# Altium PCB NGIStepUpPCB.PcbDoc (part 1 of 2) (continued)
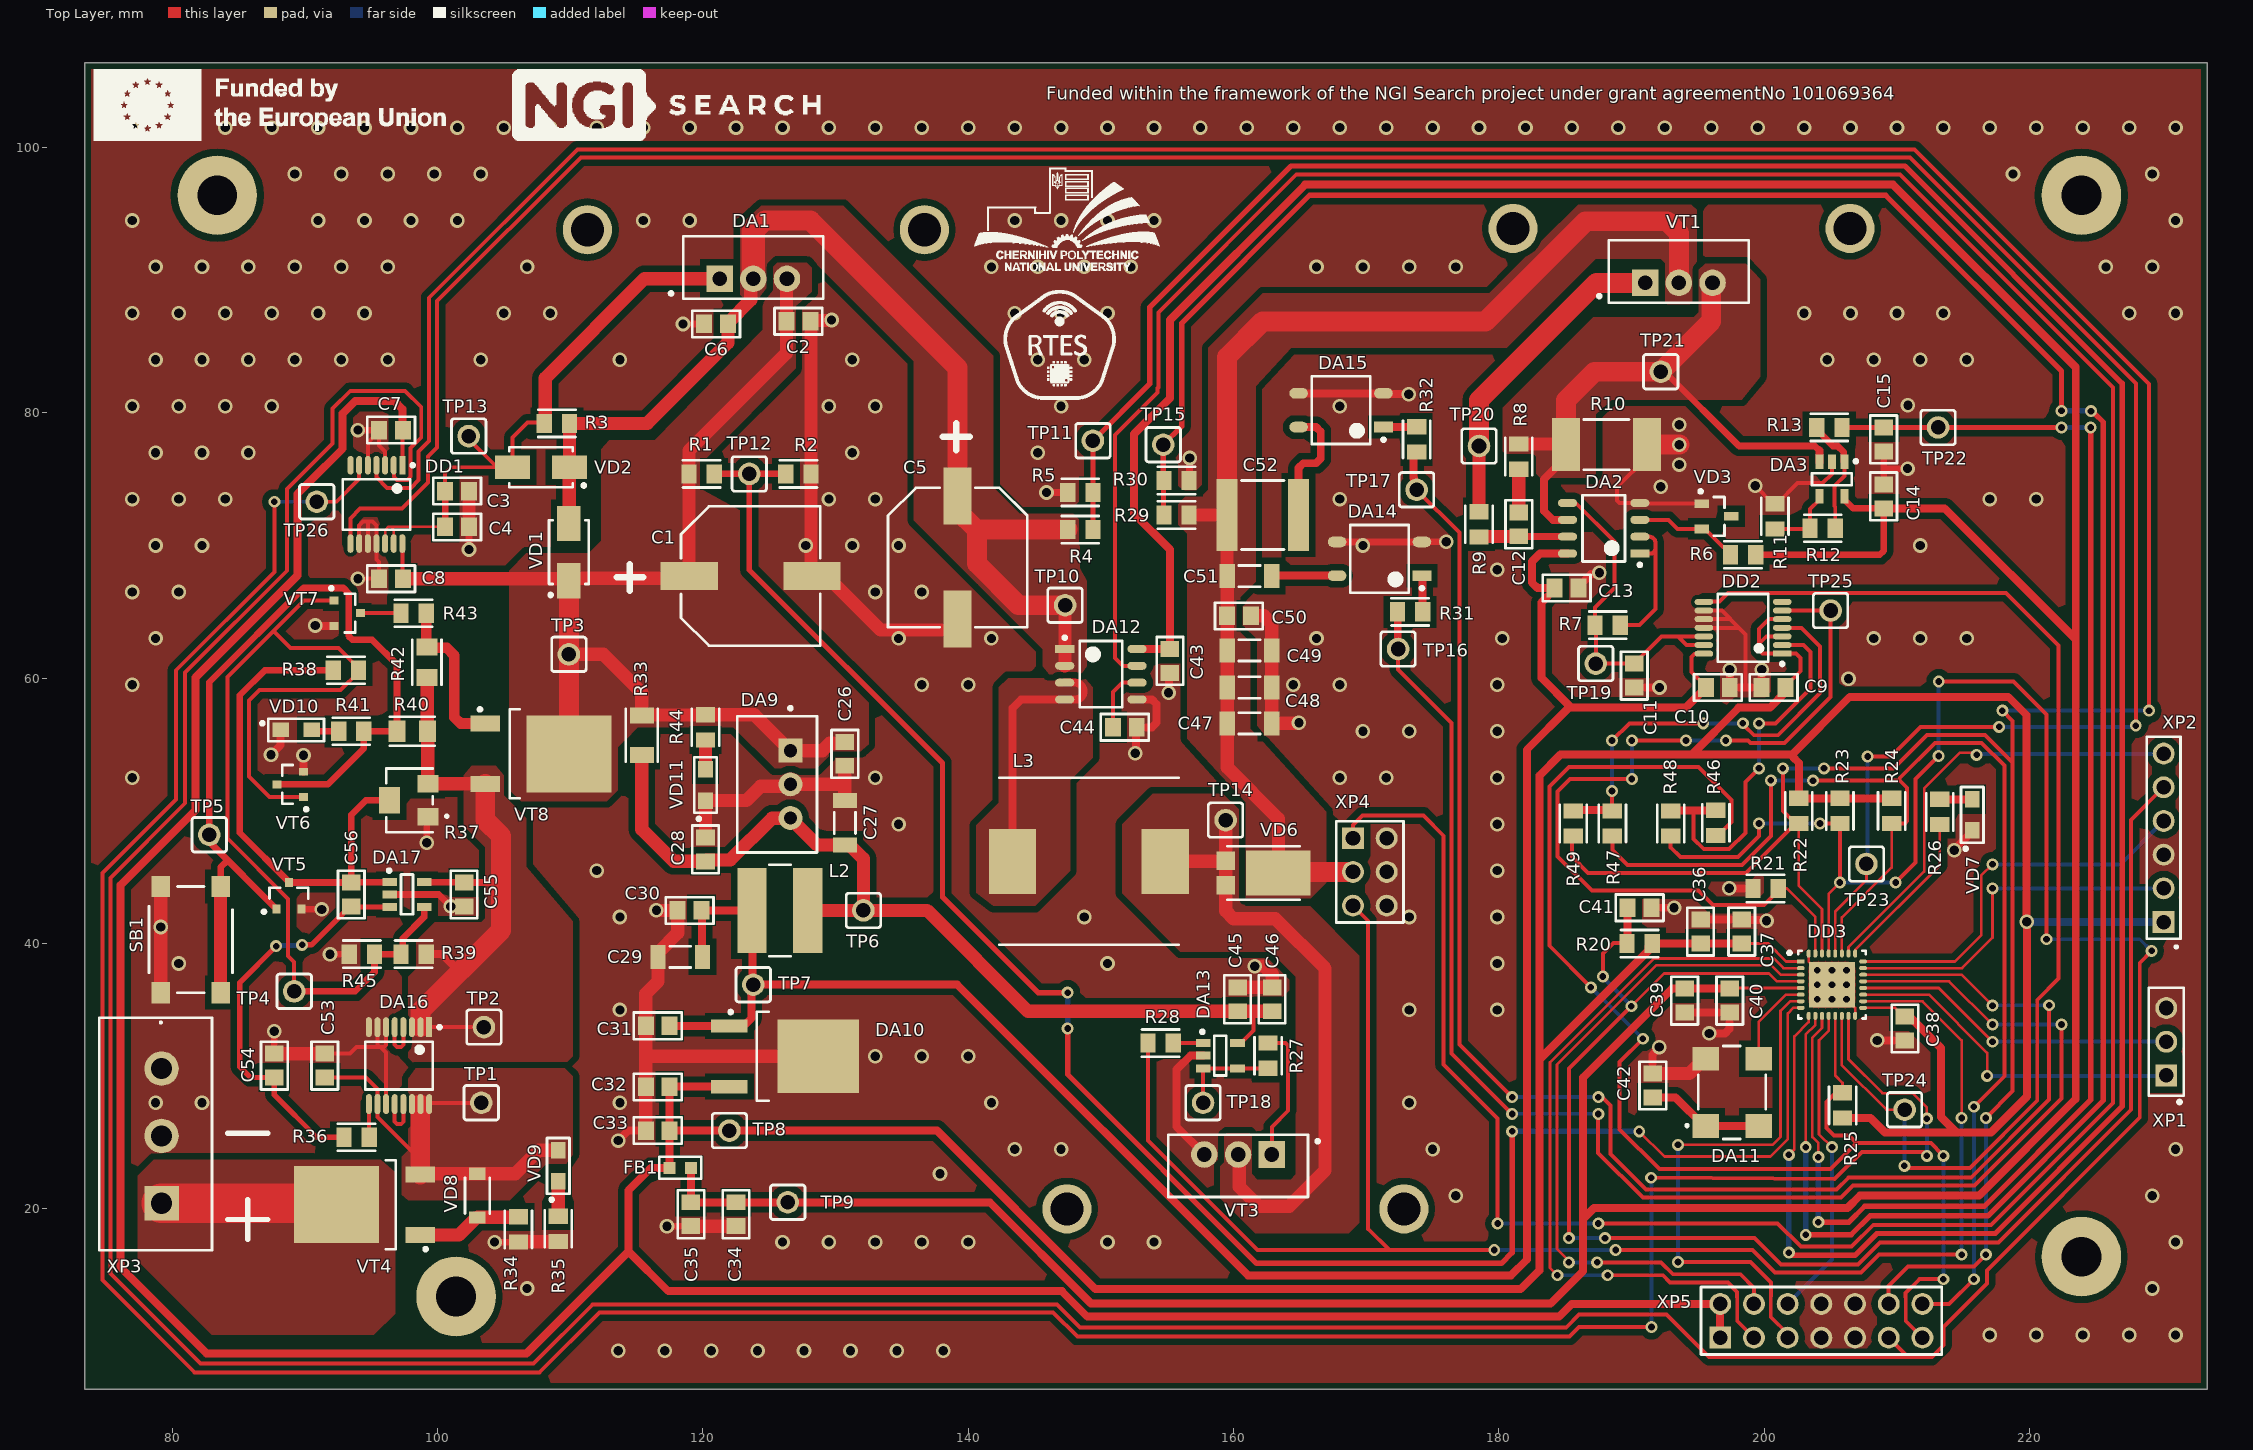
[diagram p0: Top Layer view]
## Components (designator, comment, footprint, x,y, rotation, side; value= is the part's Value field where it differs from the comment) (continued)
R37 "PVG5A203C03R00" PVG5A 97.9,50.8 r90 top value=20Kohms
R38 "RC0805FR-0751KL" Resistor0805_THICKNESS0.6 93.1,60.6 r0 top value="51 kOhms"
R39 "RC0805FR-0710KL" Resistor0805_THICKNESS0.6 98.2,39.2 r0 top value="10 kOhms"
R40 "RCS08051K80FKEA" "RCS0805 e3" 98.1,56 r0 top value=1.8Kohms
R41 "RC0805FR-13470RL" Resistor0805_THICKNESS0.6 93.5,56 r0 top value="470 Ohms"
R42 "RCS08051K80FKEA" "RCS0805 e3" 99.2,61.2 r270 top value=1.8Kohms
R43 "RC0805FR-07820RL" Resistor0805_THICKNESS0.6 98.2,64.9 r0 top value="820 Ohms"
R44 "RC0805FR-132K2L" Resistor0805_THICKNESS0.6 120.2,56.3 r90 top value="2.2 kOhms"
R45 "RC0805FR-0710KL" Resistor0805_THICKNESS0.6 94.3,39.2 r0 top value="10 kOhms"
R46 "RC0805FR-070RL" Resistor0805_THICKNESS0.6 196.35,49.1 r90 top value="0 Ohms"
R47 "RC0805FR-070RL" Resistor0805_THICKNESS0.6 188.55,49.05 r90 top value="0 Ohms"
R48 "RC0805FR-070RL" Resistor0805_THICKNESS0.6 192.95,49.05 r90 top value="0 Ohms"
R49 "RC0805FR-070RL" Resistor0805_THICKNESS0.6 185.6,49.05 r90 top value="0 Ohms"
SB1 "B3FS-1012P" "Flat Switches" 81.4,40.3 r270 top
TP1 "test point" "test point" 103.3,28 r0 top
TP2 "test point" "test point" 103.5,33.7 r0 top
TP3 "test point" "test point" 109.9,61.8 r0 top
TP4 "test point" "test point" 89.2,36.4 r0 top
TP5 "test point" "test point" 82.8,48.2 r270 top
TP6 "test point" "test point" 132.1,42.5 r0 top
TP7 "test point" "test point" 123.8,36.9 r0 top
TP8 "test point" "test point" 122,25.9 r0 top
TP9 "test point" "test point" 126.4,20.5 r0 top
TP10 "test point" "test point" 147.3,65.5 r90 top
TP11 "test point" "test point" 149.4,77.9 r0 top
TP12 "test point" "test point" 123.5,75.4 r90 top
TP13 "test point" "test point" 102.35,78.25 r90 top
TP14 "test point" "test point" 159.4,49.3 r90 top
TP15 "test point" "test point" 154.7,77.6 r180 top
TP16 "test point" "test point" 172.4,62.2 r270 top
TP17 "test point" "test point" 173.8,74.2 r180 top
TP18 "test point" "test point" 157.7,28 r270 top
TP19 "test point" "test point" 187.3,61.1 r90 top
TP20 "test point" "test point" 178.5,77.5 r90 top
TP21 "test point" "test point" 192.2,83.1 r90 top
TP22 "test point" "test point" 213.1,78.9 r270 top
TP23 "test point" "test point" 207.7,46 r90 top
TP24 "test point" "test point" 210.575,27.475 r90 top
TP25 "test point" "test point" 205,65.1 r90 top
TP26 "test point" "test point" 90.9,73.3 r180 top
VD1 "RS1A" "RS1A_CASE_SMA 403AE" 109.9,69.5 r90 top
VD2 "RS1A" "RS1A_CASE_SMA 403AE" 107.8,75.9 r180 top
VD3 "LM4040DYM3-2.5-TR" "SOT23 3pin" 196.4,72.2 r0 top
VD6 "SBRT20U60SP5-7" PowerDI5-3 162.256,45.32 r270 top
VD7 "APT2012LZGCK" APT2012LZGCK0805_LEDs 215.675,49.75 r270 top
VD8 "MMSZ4697T1G" SOD-123-2 103,21 r270 top
VD9 "APT2012LZGCK" APT2012LZGCK0805_LEDs 109.1,23.3 r270 top
VD10 "APT2012EC" APT2012LZGCK0805_LEDs 89.4,56.1 r180 top
VD11 "APT2012LZGCK" APT2012LZGCK0805_LEDs 120.2,52 r270 top
VT1 "IRFZ24NPBF" "IRFZ24NPBF TO-220 with HS FA-T220-64E" 193.56,89.8 r0 top
VT3 "IRFZ24NPBF" "IRFZ24NPBF TO-220 with HS FA-T220-64E" 160.34,24.1 r180 top
VT4 "IPD70P04P409ATMA2" TO-252-3 94.75,20.32 r180 top
VT5 "2N7002NXAKR" SOT-23-3 88.8,43.6 r90 top
VT6 "2N7002NXAKR" SOT-23-3 88.9,52 r180 top
VT7 "2N7002NXAKR" SOT-23-3 93.2,64.9 r0 top
VT8 "IPD70P04P409ATMA2" TO-252-3 107.55,54.3 r0 top
XP1 "M20-9770346" "3 VERTICAL PIN Pitch: 2.54 mm" 230.3,30.06 r90 top
XP2 "M20-9990646" "6 VERTICAL PIN Pitch: 2.54 mm" 230.1,41.62 r90 top
XP3 "691311500103" 691311500103 79.2,20.42 r90 top
XP4 "M20-9980346" M20-9980346 169,47.94 r270 top
XP5 "M20-9980746" M20-9980746 196.68,10.3 r0 top

## Footprints (in the part's own frame and the unit in brackets; to place one, negate y for a bottom-side part, rotate by r counter-clockwise, add the part's x,y. Pads: shape width x height; smd on the part's side, far side on the other; paste and mask are expansions set on the pad)
"3 VERTICAL PIN Pitch: 2.54 mm" [mm]
  rect 1.65x1.65 hole 1.1: 1(0,0)
  round 1.65 hole 1.1: 2(2.54,0) 3(5.08,0)
  silkscreen extent -2.12,-1.32 6.6,1.32, body extent -1.27,-1.27 6.35,1.27, height 8.3
"6 VERTICAL PIN Pitch: 2.54 mm" [mm]
  rect 1.65x1.65 hole 1.1: 1(0,0)
  round 1.65 hole 1.1: 2(2.54,0) 3(5.08,0) 4(7.62,0) 5(10.16,0) 6(12.7,0)
  silkscreen extent -1.97,-1.27 13.97,1.27, body extent -1.27,-1.27 13.97,1.27, height 8.64
"742792664_Ferrite Beads_0603" [mm]
  rect 0.9x0.9 smd: 1(-0.8,0) 2(0.8,0)
  silkscreen extent -1.58,-0.82 1.58,0.82, body extent -0.8,-0.4 0.8,0.4, height 0.8
691311500103 [mm]
  rect 2.6x2.6 hole 1.6: 1(0,0)
  round 2.6 hole 1.6: 2(5.08,0) 3(10.16,0)
  silkscreen extent -3.54,-3.8 14,4.7, body extent -3.52,-4.45 13.72,10.65, height 21.45
APT2012LZGCK0805_LEDs [mm]
  rect 1.25x1.1 smd: A(-1.125,0) C(1.225,0)
  silkscreen extent -2.05,-0.85 2.72,0.85, body extent -1,-0.63 1,0.63, height 0.75
Capacitor0805_THICKNESS0.6 [mm] "Chip Capacitor, 2-Leads, Body 2,00x1,25mm, IPC Medium Density"
  rect 1.2x1.4 smd: 1(-0.9,0) 2(0.9,0)
  silkscreen extent -1.8,-1 1.8,1, body extent -1.05,-0.67 1.05,0.67, height 0.6
Capacitor0805_THICKNESS0.8 [mm] "Chip Capacitor, 2-Leads, Body 2,00x1,25mm, IPC Medium Density"
  rect 1.2x1.4 smd: 1(-0.9,0) 2(0.9,0)
  silkscreen extent -1.8,-1 1.8,1, body extent -1.05,-0.67 1.05,0.67, height 0.8
Capacitor0805_THICKNESS1.25 [mm] "Chip Capacitor, 2-Leads, Body 2,00x1,25mm, IPC Medium Density"
  rect 1.2x1.4 smd: 1(-0.9,0) 2(0.9,0)
  silkscreen extent -1.8,-1 1.8,1, body extent -1.05,-0.67 1.05,0.67, height 1.25
Capacitor0805_THICKNESS1.45 [mm] "Chip Capacitor, 2-Leads, Body 2,00x1,25mm, IPC Medium Density"
  rect 1.2x1.4 smd: 1(-0.9,0) 2(0.9,0)
  silkscreen extent -1.8,-1 1.8,1, body extent -1.1,-0.72 1.1,0.72, height 1.45
Capacitor1206_THICKNESS1.6 [mm] "Chip Capacitor, 2-Leads, Body 3,20x1,60mm, IPC Medium Density"
  rect 1.15x1.8 smd: 1(-1.675,0) 2(1.675,0)
  silkscreen extent -0.8,-0.8 0.8,0.8, body extent -1.7,-0.9 1.7,0.9, height 1.6
Capacitor2220_THICKNESS3.1 [mm] "Chip Capacitor, 2-Leads, Body 5,70x5,00mm, IPC Medium Density"
  rect 1.6x5.4 smd: 1(-2.7,0) 2(2.7,0)
  silkscreen extent -1.6,-2.6 1.6,2.6, body extent -3.05,-2.7 3.05,2.7, height 3.1
EEH-ZA1V101P [mm] "Aluminum Electrolytic Capacitor, Body 10,30x10,30x10,50mm, IPC Medium Density"
  rect 4.3x2.1 smd: 1(-4.625,0) 2(4.625,0)
  silkscreen extent -10.1,-5.25 5.25,5.25, body extent -6,-5.25 6,5.25, height 10.5
"Flat Switches" [mm]
  rect 1.6x1.4 smd: 1(4,-2.25) 2(-4,-2.25) 3(4,2.25) 4(-4,2.25)
  silkscreen extent -4,-3.15 6.3,3.15, body extent -4,-3.15 4,3.15, height 4.38
"HCMOS 7 mm x 5 mm" [mm]
  rect 2x1.8 smd: 1(-1.825,-2.665) 2(-1.825,2.415) 3(2.175,2.415) 4(2.175,-2.665)
  silkscreen extent -3.32,-3.62 2.72,3.38, body extent -2.32,-3.63 2.68,3.37, height 1.71
"IRFZ24NPBF TO-220 with HS FA-T220-64E" [mm]
  rect 2x2 hole 1.1: 1(-2.54,0)
  round 2 hole 1.1: 2(0,0) 3(2.54,0)
  round 3.7 hole 2.5: 4(-12.5,4.1) 5(12.9,4.1)
  silkscreen extent -6.12,-1.5 5.27,3.2, body extent -20.6,-8.5 21,16.63, height 63.5
"LM338T TO-220 with HS FA-T220-64E" [mm]
  rect 2x2 hole 1.1: 1(-2.54,0)
  round 2 hole 1.1: 2(0,0) 3(2.54,0)
  round 3.7 hole 2.5: 4(-12.5,3.7) 5(12.9,3.7)
  silkscreen extent -6.32,-1.5 5.27,3.2, body extent -20.6,-8.87 21,16.27, height 63.5
M20-9980346 [mm]
  rect 1.65x1.65 hole 1.1: 1(0,0)
  round 1.65 hole 1.1: 2(0,2.54) 3(2.54,0) 4(2.54,2.54) 5(5.08,0) 6(5.08,2.54)
  silkscreen extent -1.27,-1.27 6.35,3.81, body extent -1.27,-1.27 6.35,3.81, height 8.68
M20-9980746 [mm]
  rect 1.65x1.65 hole 1.1: 1(0,0)
  round 1.65 hole 1.1: 2(0,2.54) 3(2.54,0) 4(2.54,2.54) 5(5.08,0) 6(5.08,2.54) 7(7.62,0) 8(7.62,2.54) 9(10.16,0) 10(10.16,2.54) 11(12.7,0) 12(12.7,2.54) 13(15.24,0) 14(15.24,2.54)
  silkscreen extent -1.45,-1.27 16.69,3.81, body extent -1.27,-1.26 16.51,3.74, height 8.4
"PA4343.223ANLT_Footprint 2" [mm]
  rect 3.55x4.9 smd: 1(-5.75,0) 2(5.75,0)
  silkscreen extent -6.75,-6.3 6.75,6.3, body extent -6.75,-6.3 6.75,6.3, height 6.5
PowerDI5-3 [mm]
  rect 1.39x1.4 smd: A1(-0.92,-2.856) A2(0.92,-2.856)
  rect 3.36x4.86 smd: C(0,1.126)
  silkscreen extent -2.02,-2.73 2.02,2.73, body extent -1.98,-3.26 1.98,3.25, height 1.1
PVG5A [mm]
  rect 1.3x1.6 smd: 1(-1.25,-1.375) 3(1.25,-1.375)
  rect 2x1.6 smd: 2(0,1.525)
  silkscreen extent -2.4,-2.9 2.4,1.75, body extent -2.4,-1.85 2.4,1.85, height 5.6
PXO7812-500-S_POSITIVEOUTPUT [mm]
  rect 1.8x1.8 hole 1: 1(0,0)
  round 1.8 hole 1: 2(2.54,0) 3(5.08,0)
  silkscreen extent -3.32,-4 7.68,2, body extent -2.64,-4.3 7.64,0.69, height 10.61
"RCS0805 e3" [mm]
  rect 1.3x1.6 smd: 1(-1.15,0) 2(1.15,0)
  silkscreen extent -1.7,-1.1 1.7,1.1, body extent -1,-0.63 1,0.63, height 0.5
Resistor0805_THICKNESS0.6 [mm] "Chip Resistor, 2-Leads, Body 2,00x1,25mm, IPC Medium Density"
  rect 1.15x1.45 smd: 1(-0.95,0) 2(0.95,0)
  silkscreen extent -1.4,-1.02 1.4,1.02, body extent -1.05,-0.67 1.05,0.67, height 0.6
Resistor1206_THICKNESS0.65 [mm] "Chip Resistor, 2-Leads, Body 3,10x1,60mm, IPC Medium Density"
  rect 1.2x1.8 smd: 1(-1.5,0) 2(1.5,0)
  silkscreen extent -2,-1.2 2,1.2, body extent -1.6,-0.85 1.6,0.85, height 0.65
Resistor2512_THICKNESS_0.9 [mm] "Chip Resistor, 2-Leads, Body 6,40x3,20mm, IPC Medium Density"
  rect 2.1x4 smd: 1(-3.05,0) 2(3.05,0)
  silkscreen extent -1.7,-1.9 1.7,1.9, body extent -3.3,-1.7 3.3,1.7, height 0.9
"RS1A_CASE_SMA 403AE" [mm] "Molded Diode, 2-Leads, Body 4,38x2,73mm, IPC Medium Density"
  rect 2.65x1.75 smd: A(2.15,0) C(-2.15,0)
  silkscreen extent -3.35,-1.5 2.4,1.5, body extent -2.6,-1.48 2.6,1.48, height 2.5
SOD-123-2 [mm]
  rect 0.91x1.22 smd: 1(-1.65,0) 2(1.65,0)
  silkscreen extent -1.35,-0.92 1.34,0.92, body extent -1.84,-0.8 1.84,0.8, height 1.33
SOIC-8 [mm] "SOIC, 8-Leads, Body 4,91x3,90mm, Pitch 1,27mm, IPC Medium Density"
  rect 1.45x0.6 smd: 1(-2.725,1.905)
  oval 1.45x0.6 smd: 2(-2.725,0.635) 3(-2.725,-0.635) 4(-2.725,-1.905) 5(2.725,-1.905) 6(2.725,-0.635) 7(2.725,0.635) 8(2.725,1.905)
  silkscreen extent -2.85,-2.5 1.6,2.88, body extent -3,-2.5 3,2.5, height 1.75
SOP-4 [mm] "SOP, 4-Leads, Body 3,90x4,40mm, Pitch 2,54mm, IPC Medium Density"
  rect 1.4x0.8 smd: 1(-3.2,1.27)
  oval 1.4x0.8 smd: 2(-3.2,-1.27) 3(3.2,-1.27) 4(3.2,1.27)
  silkscreen extent -3.33,-2.55 2.2,2.55, body extent -3.5,-2.05 3.5,2.05, height 2.1
"SOT23 3pin" [mm] "SOT23, 3-Leads, Body 3,10x2,37mm, Pitch 0,95mm, IPC Medium Density"
  rect 1.1x0.65 smd: 1(-1.1,0.95) 2(-1.1,-0.95) 3(1.1,0)
  silkscreen extent -1.32,-1.46 0.6,2, body extent -1.18,-1.46 1.18,1.46, height 1.11
"SOT-23 5pin" [mm] "SOT23, 5-Leads, Body 2,90x2,80mm, Pitch 0,95mm, IPC Medium Density"
  rect 1.1x0.6 smd: 1(-1.3,0.95) 2(-1.3,0) 3(-1.3,-0.95) 4(1.3,-0.95) 5(1.3,0.95)
  silkscreen extent -1.47,-1.5 0.45,1.93, body extent -1.5,-1.5 1.5,1.5, height 1.45
SOT-23-3 [mm]
  rect 0.7x0.6 smd: 1(-1,0.95) 2(-1,-0.95) 3(1,0)
  silkscreen extent -1.32,-1.45 0.6,2, body extent -1.2,-1.45 1.2,1.45, height 0.95
SRN6045HA-470M [mm]
  rect 2.2x6.4 smd: 1(-2.1,0) 2(2.1,0)
  silkscreen extent -0.8,-3.45 0.8,3.45, body extent -3,-3 3,3, height 4.7
"test point" [mm]
  round 1.7 hole 1.1: 1(0,0)
  silkscreen extent -1.3,-1.3 1.3,1.3, body extent -1.27,-1.27 1.27,1.27, height 8.44
"TO-252 3pin THICKNESS2.52" [mm] "D-PAK, 3-Pads, Body 6,21x6,71mm (max), IPC Medium Density"
  rect 2.75x1 smd: 1(-4.2,2.29) 3(-4.2,-2.29)
  rect 6.15x5.55 smd: 2(2.5,0)
  silkscreen extent -4.22,-3.35 -1.25,3.46, body extent -4.98,-3.26 5.13,3.26, height 2.31
TO-252-3 [mm] "D-PAK, 3-Pads, Body 6,21x6,69mm (max), IPC Medium Density"
  rect 2.2x1.2 smd: 1(-3.95,2.28) 3(-3.95,-2.28)
  rect 6.4x5.8 smd: 2(2.35,0)
  silkscreen extent -4.47,-3.35 -1.35,3.47, body extent -4.62,-3.32 5.36,3.32, height 2.35
TSOP-14 [mm] "TSOP, 14-Leads, Body 5,00x4,40mm, Pitch 0,65mm, IPC Medium Density"
  rect 1.4x0.45 smd: 1(-2.95,1.95)
  oval 1.4x0.45 smd: 2(-2.95,1.3) 3(-2.95,0.65) 4(-2.95,0) 5(-2.95,-0.65) 6(-2.95,-1.3) 7(-2.95,-1.95) 8(2.95,-1.95) 9(2.95,-1.3) 10(2.95,-0.65) 11(2.95,0) 12(2.95,0.65) 13(2.95,1.3) 14(2.95,1.95)
  silkscreen extent -3.07,-2.55 1.9,2.85, body extent -3.2,-2.55 3.2,2.55, height 1.2
TSSOP-16 [mm] "TSOP, 16-Leads, Body 5,00x4,40mm, Pitch 0,65mm, IPC Medium Density"
  rect 1.5x0.45 smd: 1(-2.9,2.275)
  oval 1.5x0.45 smd: 2(-2.9,1.625) 3(-2.9,0.975) 4(-2.9,0.325) 5(-2.9,-0.325) 6(-2.9,-0.975) 7(-2.9,-1.625) 8(-2.9,-2.275) 9(2.9,-2.275) 10(2.9,-1.625) 11(2.9,-0.975) 12(2.9,-0.325) 13(2.9,0.325) 14(2.9,0.975) 15(2.9,1.625) 16(2.9,2.275)
  silkscreen extent -3.02,-2.55 1.8,3.17, body extent -3.2,-2.55 3.2,2.55, height 1.2
UFQFPN-32 [mm] "PQFN, 32-Leads, Body 5,00x5,00mm, Pitch 0,50mm, Thermal Pad 3,45x3,45mm, IPC Medium Density"
  rect 0.6x0.3 smd: 1(-2.35,1.75)
  oval 0.6x0.3 smd: 2(-2.35,1.25) 3(-2.35,0.75) 4(-2.35,0.25) 5(-2.35,-0.25) 6(-2.35,-0.75) 7(-2.35,-1.25) 8(-2.35,-1.75) 17(2.35,-1.75) 18(2.35,-1.25) 19(2.35,-0.75) 20(2.35,-0.25) 21(2.35,0.25) 22(2.35,0.75) 23(2.35,1.25) 24(2.35,1.75)
  oval 0.3x0.6 smd: 9(-1.75,-2.35) 10(-1.25,-2.35) 11(-0.75,-2.35) 12(-0.25,-2.35) 13(0.25,-2.35) 14(0.75,-2.35) 15(1.25,-2.35) 16(1.75,-2.35) 25(1.75,2.35) 26(1.25,2.35) 27(0.75,2.35) 28(0.25,2.35) 29(-0.25,2.35) 30(-0.75,2.35) 31(-1.25,2.35) 32(-1.75,2.35)
  rect 3.45x3.45 smd: 33(0,0)
  silkscreen extent -3.32,-2.55 2.55,2.55, body extent -2.55,-2.55 2.55,2.55, height 0.6

## Part data
C1 C5: "Aluminium Organic Polymer Capacitors 35VDC 100uF 20% AEC-Q200", Case=G, Manufacturer=Panasonic, Mouser Part Number=667-EEH-ZA1V101P, Power/Voltage=35V, Tolerance=20%, Datasheet Link=https://eu.mouser.com/datasheet/2/315/ABA0000C1221-1280637.pdf, ESR="27 mOhms", ManufacturerPartNumber=EEH-ZA1V101P, Mouser Price/Stock=https://eu.mouser.com/ProductDetail/Panasonic/EEH-ZA1V101P?qs=sGAEpiMZZMvwFf0viD3Y3a3yb5D6sPUgQ6Q%252BT2xzDvzCb9%252BaM%252B4sJw%3D%3D
C2 C4 C6 C7 C8 C9 C10 C13 C14 C28 C30 C32 C35 C37 C38 C41 C46 C50 C53 C55: "Multilayer Ceramic Capacitors MLCC - SMD/SMT 100nF+/-10% 50V X7R 0805", Case=0805, Dielectric=X7R, Manufacturer="Samsung Electro-Mechanics", Mouser Part Number=187-CL21B104KBCNNWC, Power/Voltage=50V, Tolerance=10%, Datasheet Link=https://eu.mouser.com/datasheet/2/585/MLCC-1837944.pdf, ManufacturerPartNumber=CL21B104KBCNNWC, Mouser Price/Stock=https://eu.mouser.com/ProductDetail/Samsung-Electro-Mechanics/CL21B104KBCNNWC?qs=yOVawPpwOwlu2UTVxWhmlw%3D%3D
C3 C26: "Multilayer Ceramic Capacitors MLCC - SMD/SMT 10 uF 35 VDC 10% 0805 X5R", Case=0805, Dielectric=X5R, Manufacturer=Murata, Mouser Part Number=81-GRM21BR6YA106KE3K, Power/Voltage=35V, Tolerance=10%, Datasheet Link=https://eu.mouser.com/datasheet/2/281/1/GRM21BR6YA106KE43_01A-1986981.pdf, ManufacturerPartNumber=GRM21BR6YA106KE43K, Mouser Price/Stock=https://eu.mouser.com/ProductDetail/Murata-Electronics/GRM21BR6YA106KE43K?qs=QzBtWTOodeW8NrklCAafzg%3D%3D
C11 C40 C42: "Multilayer Ceramic Capacitors MLCC - SMD/SMT 10nF+/-10% 50V X7R 2 0805", Case=0805, Dielectric=X7R, Manufacturer="Samsung Electro-Mechanics", Mouser Part Number=187-CL21B103KBANNNL, Power/Voltage=50V, Tolerance=10%, Datasheet Link=https://eu.mouser.com/datasheet/2/585/MLCC-1837944.pdf, ManufacturerPartNumber=CL21B103KBANNNL, Mouser Price/Stock=https://eu.mouser.com/ProductDetail/Samsung-Electro-Mechanics/CL21B103KBANNNL?qs=sGAEpiMZZMvsSlwiRhF8qtsGU%2FCnaNeQUbGZYi74bLm5gwqVLR8V4A%3D%3D
C12: "Multilayer Ceramic Capacitors MLCC - SMD/SMT 22nF+/-10% 50V X7R 2 0805", Case=0805, Dielectric=X7R, Manufacturer="Samsung Electro-Mechanics", Mouser Part Number=187-CL21B223KBANNND, Power/Voltage=50V, Tolerance=10%, Datasheet Link=https://eu.mouser.com/datasheet/2/585/MLCC-1837944.pdf, ManufacturerPartNumber=CL21B223KBANNND, Mouser Price/Stock=https://eu.mouser.com/ProductDetail/Samsung-Electro-Mechanics/CL21B223KBANNND?qs=sGAEpiMZZMvsSlwiRhF8qlxW52pIu5FNS13PGP1GZqY%3D
C15: "Multilayer Ceramic Capacitors MLCC - SMD/SMT 50V 0.033uF X7R 0805 10%", Case=0805, Dielectric=X7R, Manufacturer=KEMET, Mouser Part Number=80-C0805C333K5RAC, Power/Voltage=50V, Tolerance=10%, Datasheet Link=https://eu.mouser.com/datasheet/2/447/KEM_C1002_X7R_SMD-3316098.pdf, ManufacturerPartNumber=C0805C333K5RAC, Mouser Price/Stock=https://eu.mouser.com/ProductDetail/KEMET/C0805C333K5RAC?qs=sGAEpiMZZMvsSlwiRhF8qtpM02mjhsWZUP8GnSbnH5w%3D
C27 C29 C47 C48 C49 C51: "Multilayer Ceramic Capacitors MLCC - SMD/SMT 1206 35V 22uF X5R 20% T: 1.6mm", Case=1206, Dielectric=X5R, Manufacturer=TDK, Mouser Part Number=810-C3216X5R1V226M, Power/Voltage=35V, Tolerance=20%, Datasheet Link=https://product.tdk.com/system/files/dam/doc/product/capacitor/ceramic/mlcc/catalog/mlcc_commercial_general_en.pdf, ManufacturerPartNumber=C3216X5R1V226M160AC, Mouser Price/Stock=https://eu.mouser.com/ProductDetail/TDK/C3216X5R1V226M160AC?qs=NRhsANhppD8TwN31eZ1xGQ%3D%3D
C31: "Multilayer Ceramic Capacitors MLCC - SMD/SMT 25V 0.33uF X7R 0805 10%", Case=0805, Dielectric=X7R, Manufacturer=YAGEO, Mouser Part Number=603-CC805KKX7R8BB334, Power/Voltage=25V, Tolerance=10%, Datasheet Link=https://eu.mouser.com/datasheet/2/447/UPY_GPHC_X7R_6_3V_to_250V_23-3084653.pdf, ManufacturerPartNumber=CC0805KKX7R8BB334, Mouser Price/Stock=https://eu.mouser.com/ProductDetail/YAGEO/CC0805KKX7R8BB334?qs=sGAEpiMZZMvsSlwiRhF8qhv%252BGHtcCd98Tol7cGM2QGw%3D
C33: "Multilayer Ceramic Capacitors MLCC - SMD/SMT 47 uF 10 VDC 20% 0805 X5R", Case=0805, Dielectric=X5R, Manufacturer=Murata, Mouser Part Number=81-GRM21BR61A476ME5K, Power/Voltage=10V, Tolerance=20%, Datasheet Link=https://eu.mouser.com/datasheet/2/281/1/GRM21BR61A476ME15_01A-1986931.pdf, ManufacturerPartNumber=GRM21BR61A476ME15K, Mouser Price/Stock=https://eu.mouser.com/ProductDetail/Murata-Electronics/GRM21BR61A476ME15K?qs=sGAEpiMZZMvsSlwiRhF8qtKev7nvVKumdokzOmlxZZTbnZpuci0nOw%3D%3D
C34 C36 C45: "Multilayer Ceramic Capacitors MLCC - SMD/SMT 4.7uF+/-10% 25V X5R 0805", Case=0805, Dielectric=X5R, Manufacturer="Samsung Electro-Mechanics", Mouser Part Number=187-CL21A475KAQNNNF, Power/Voltage=25V, Tolerance=10%, Datasheet Link=https://eu.mouser.com/datasheet/2/585/MLCC-1837944.pdf, ManufacturerPartNumber=CL21A475KAQNNNF, Mouser Price/Stock=https://eu.mouser.com/ProductDetail/Samsung-Electro-Mechanics/CL21A475KAQNNNF?qs=sGAEpiMZZMvsSlwiRhF8qtsGU%2FCnaNeQ9%2FtqxdEQLsBh1lK0%252BjEvRQ%3D%3D
C39 C43: "Multilayer Ceramic Capacitors MLCC - SMD/SMT 1uF+/-10% 25V X7R 20 0805", Case=0805, Dielectric=X7R, Manufacturer="Samsung Electro-Mechanics", Mouser Part Number=187-CL21B105KAFNFNE, Power/Voltage=25V, Tolerance=10%, Datasheet Link=https://eu.mouser.com/datasheet/2/585/MLCC-1837944.pdf, ManufacturerPartNumber=CL21B105KAFNFNE, Mouser Price/Stock=https://eu.mouser.com/ProductDetail/Samsung-Electro-Mechanics/CL21B105KAFNFNE?qs=%252B6g0mu59x7LIqMOGGtEcpA%3D%3D
C44: "Multilayer Ceramic Capacitors MLCC - SMD/SMT 50V 5pF C0G 0805 Tol 0.25pF", Case=0805, Dielectric="C0G (NP0)", Manufacturer=YAGEO, Mouser Part Number=603-CC805CRNPO9BN5R0, Power/Voltage=50V, Tolerance=5%, Datasheet Link=https://eu.mouser.com/datasheet/2/447/UPY_NP0X5R_01005_4V_to_25V_V10-3003057.pdf, ManufacturerPartNumber=CC0805CRNPO9BN5R0, Mouser Price/Stock=https://eu.mouser.com/ProductDetail/YAGEO/CC0805CRNPO9BN5R0?qs=57cj7OiSijm1o7wMqGKW1g%3D%3D